# KiCad board coleco_original.kicad_pcb (continued)
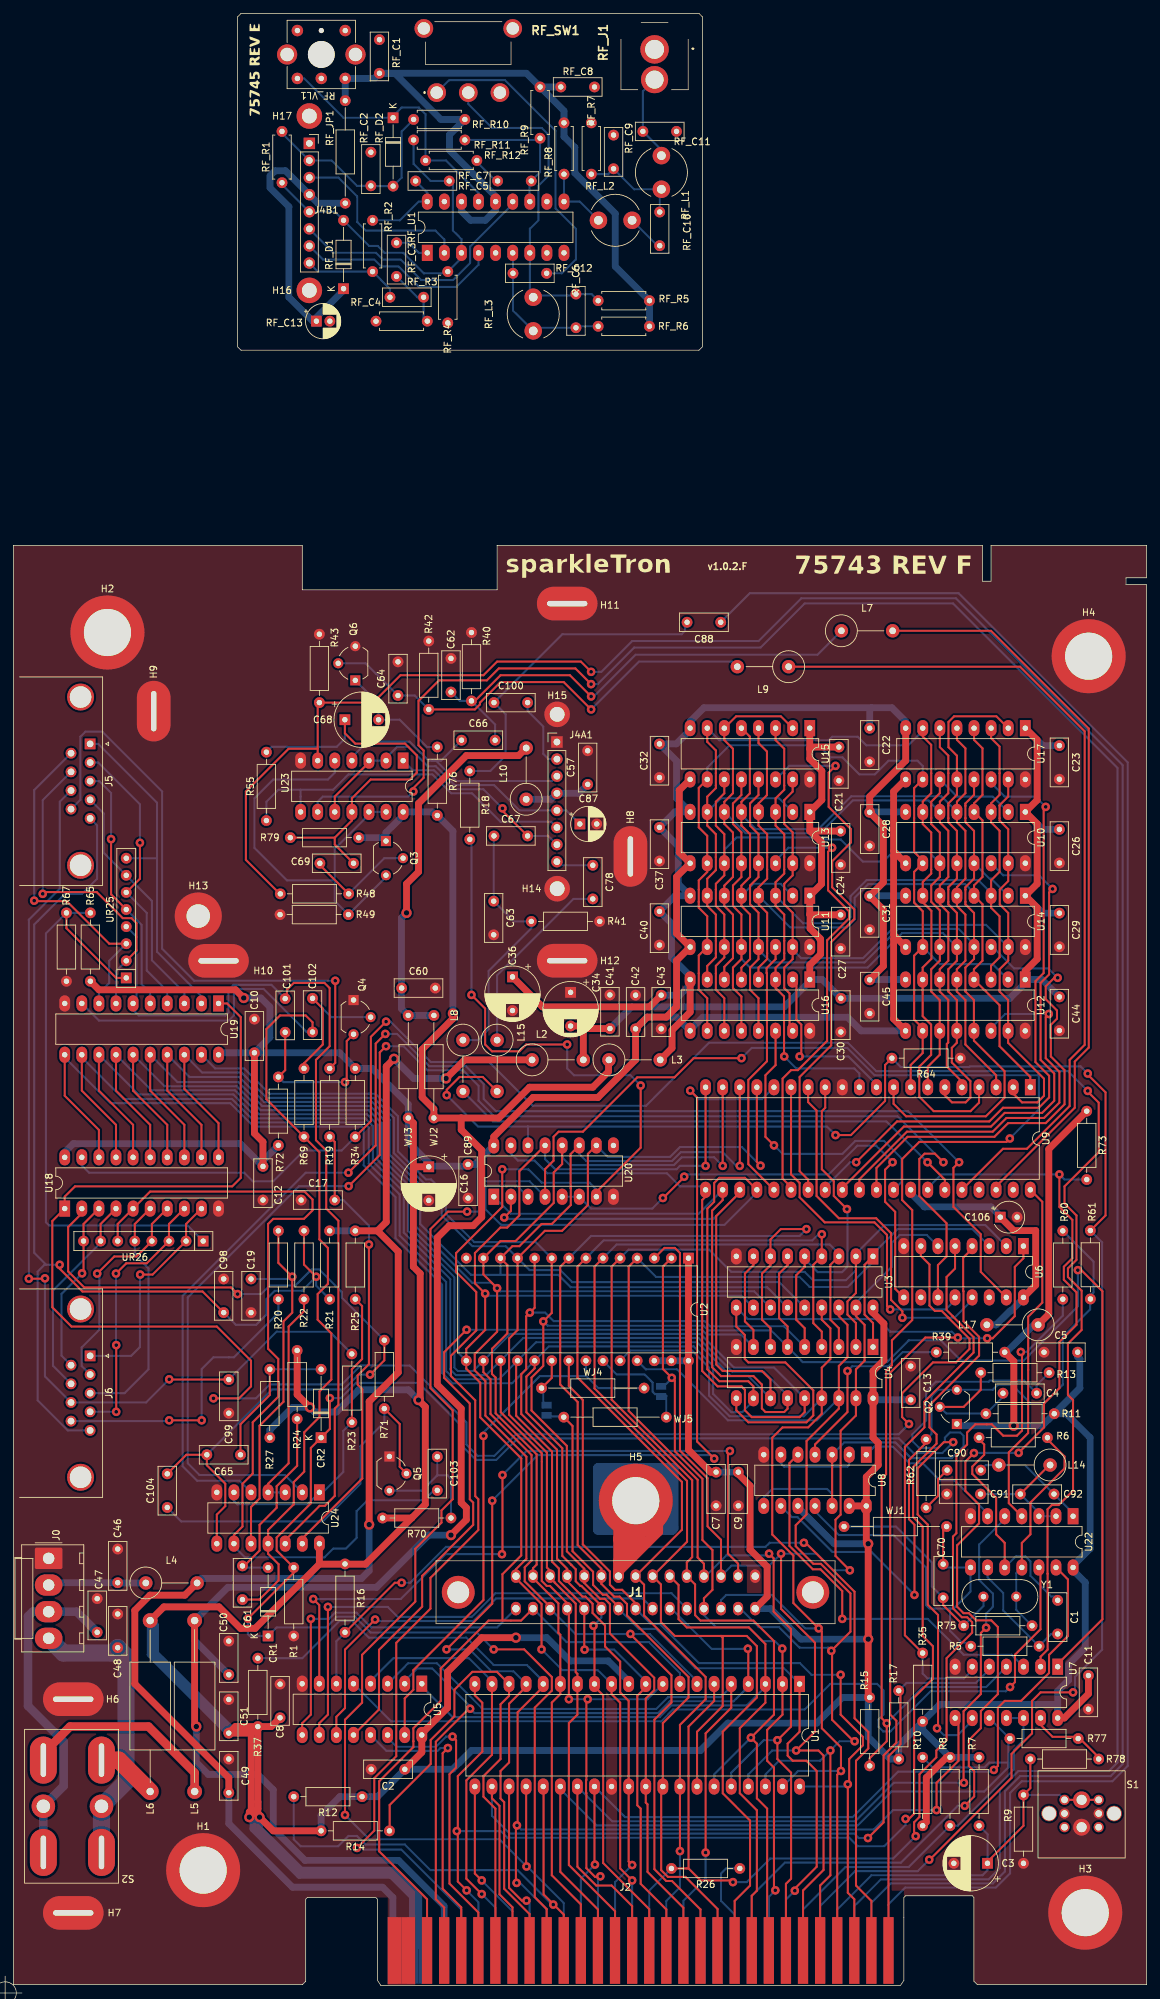
[diagram p0: board, top side]
## Routing (per net, layer and track width the routed paths; a pad name or vN(x,y) marks a point on that pad's centre or on a via; arc(x,y) is an arc through that point) (continued)
  Bottom w0.305: 127.51,5.21 127.51,12.32 130.36,15.17 145.57,15.17 147.35,16.95 147.35,28.86 149.61,31.12 163.07,31.12 164.85,32.89 164.85,181.34 140.07,206.12 117.09,206.12 110.74,199.77 91.95,199.77 87.38,195.2 v2(85.85,195.2)
/io_ports/SND_OUT: length 236.6
  Top w0.305: v2(68.07,147.19) 70.1,145.16 70.1,139.83 71.12,138.81 75.18,138.81 76.2,139.83 v2(82.3,139.83) ; 86.63,117.21 86.63,117.91 93.22,124.5 v2(93.22,133.73) ; v2(72.64,121.29) 72.65,121.28 72.65,115.7 65.79,108.84 65.79,106.05 68.78,103.05 68.78,97.34 65.02,93.58 65.02,90.55 68.63,86.94 68.63,72.72 69.09,72.26 69.09,67.69 61.98,60.58 61.98,56.01 56.89,50.92 56.89,34.08 53.63,30.82 53.63,23.02 v2(51.05,20.45)
  Bottom w0.305: v2(68.07,147.19) 68.07,170.05 R18.2 ; v2(93.22,133.73) 91.69,135.26 83.31,135.26 82.3,136.27 v2(82.3,139.83) ; 86.63,117.21 86.63,118.29 85.63,119.29 78.52,119.29 76.52,121.29 v2(72.64,121.29) ; v2(51.05,20.45) 51.82,20.45 52.07,20.19 57.66,20.19 66.55,11.3 66.55,5.21
/io_ports/~{VDP_RESET}: length 186.2
  Top w0.305: v2(149.4,79.15) 149.4,79.16 153.16,82.93 153.16,86.49 155.45,88.77 155.45,95.63 157.99,98.17 157.99,103 156.11,104.88 156.11,106.81 157.38,108.08 157.38,113.77 155.45,115.7 v2(155.45,120.52) ; v2(142.75,79.12) 141.48,77.85 141.48,73.49 143.51,71.46 143.51,68.67 140.24,65.41 140.24,56.3 141.2,55.33 142,55.33 143.07,54.26 145.32,54.26 146.3,53.28 146.3,43.31 143.78,40.78 143.78,38.24 141.99,36.45 141.99,32.62 142.78,31.83 142.78,28.1 v2(141.38,26.7)
  Bottom w0.305: 109.73,5.21 109.73,13.34 114.66,18.26 131.9,18.26 140.34,26.7 v2(141.38,26.7) ; U9.34 135.88,118.49 137.92,120.52 v2(155.45,120.52) 156.21,119.76 159.51,119.76 ; v2(149.4,79.15) 149.39,79.16 142.78,79.16 v2(142.75,79.12)
/psu/+5NF: length 9.2
  Top w2.54: S2.3 15.65,33.5 L6.1
/psu/+12NF: length 29.8
  Top w1.27: 4.45,34.51 8.41,38.48 20.07,38.48 26.92,31.62 L5.1
/rf_mod/B-Y: length 78.6
  Top w0.305: v2(135.85,122.33) 138.43,119.75 U9.35
  Bottom w0.305: v2(135.85,122.33) 135.81,122.33 129.74,128.4 71.26,128.4 L8.2
/rf_mod/R-Y: length 109.4
  Top w0.305: U9.38 146.05,118.74 157.73,130.43 157.73,137.29 159.82,139.37 159.82,186.77 145.29,201.3 L7.2
/rf_mod/sub_rf_mod/2: length 42.1
  Bottom w0.305: C100.2 76.41,189.4 78.74,187.07 78.74,183.01 79.52,182.23 J4A1.2 ; RF_R10.2 57.69,275.5 57.69,268.64 56.42,267.37 53.16,267.37 RF_C2.2 51.05,267.41 47.28,271.18 J4B1.2 39.91,275.24 RF_R1.2
/rf_mod/sub_rf_mod/3: length 68.4
  Bottom w0.305: C66.1 63.54,181.99 62.23,181.99 ; 62.23,181.99 61.72,181.99 58.89,184.82 52.61,184.82 50.3,182.5 U23.4 ; 62.23,181.99 62.81,181.99 65.82,178.98 80.06,178.98 J4A1.3 ; J4B1.3 48.29,268.64 51.09,265.85 51.09,262.04 52.36,260.77 62.71,260.77 64.04,259.44 RF_U1.2
/rf_mod/sub_rf_mod/5: length 102.3
  Top w0.305: U23.10 47.76,176.66 52.84,181.74 U23.3
  Bottom w0.305: RF_R11.1 59.47,270.67 62.01,268.13 RF_C5.2 65.3,267.6 65.3,260.78 66.58,259.5 RF_U1.3 66.58,256.7 RF_R4.2 64.3,254.42 60.99,254.42 57.95,257.46 55.15,257.46 54.14,258.48 52.87,258.48 RF_D1.2 47.79,263.56 J4B1.5 39.91,267.62 RF_R1.1 ; U23.3 U23.2 55.38,182.41 57.03,184.06 58.68,184.06 61.56,181.18 62.76,181.18 65.57,178.37 71.44,178.37 75.2,174.61 J4A1.5 82.17,174.61 C87.1
/rf_mod/sub_rf_mod/6: length 94
  Bottom w0.305: RF_U1.13 74.2,264.71 67.86,258.37 67.86,255.95 65.32,253.41 60.6,253.41 57.56,256.45 54.9,256.45 53.88,257.46 47.53,257.46 J4B1.6 ; 42.67,177.67 39.37,177.67 37.59,175.9 R55.1 ; 42.67,177.67 47.5,177.67 49.78,179.96 62.25,179.96 65.06,177.15 68.16,177.15 72.38,172.92 79.92,172.92 J4A1.6 ; 42.67,177.67 42.67,176.66 42.68,176.65 U23.8
/rf_mod/sub_rf_mod/7: length 59
  Top w0.305: C67.2 72.68,174.55 v2(72.68,174.91)
  Bottom w0.305: U23.1 59.35,180.57 62.51,180.57 65.32,177.76 69.83,177.76 v2(72.68,174.91) ; RF_U1.4 69.12,255.69 65.82,252.38 60.27,252.38 57.22,255.43 54.64,255.43 53.63,256.45 46.01,256.45 J4B1.7 ; C67.2 79.49,170.82 J4A1.7
/rf_mod/sub_rf_mod/8: length 20.4
  Bottom w0.305: J4B1.8 45.25,254.67 RF_R2.2 55.95,252.09 RF_C4.2 ; C78.1 81.31,166.46 J4A1.8
/rf_mod/Y: length 125.7
  Top w0.305: U9.36 147.06,124.33 150.62,124.33 156.97,130.68 156.97,137.54 159.21,139.78 159.21,186.36 149.61,195.96 L9.1
/video/AD0: length 25.6
  Top w0.305: v2(116.84,138.05) 117.09,138.3 117.09,142.78 116.37,143.51 116.37,148.92 U16.2
  Bottom w0.305: v2(116.84,138.05) 124.09,138.05 128.27,133.88 U9.10
/video/AD1: length 157.4
  Top w0.305: U16.13 110.73,146.7 109.47,147.96 109.47,151.25 110.73,152.51 U11.13 110.73,159.4 109.47,160.66 109.47,163.45 110.73,164.7 U13.13 110.73,171.08 109.47,172.34 109.47,175.64 110.73,176.9 U15.13 ; U17.13 142.76,176.93 141.48,175.64 141.48,175.3 141.48,175.3 141.48,173.46 141.48,173.46 141.48,172.85 142.76,171.56 U10.13 142.76,164.48 141.48,163.2 141.48,162.85 141.48,162.85 141.48,161.01 141.48,161.01 141.48,160.66 142.76,159.37 U14.13 142.76,152.54 141.48,151.26 141.48,147.7 142.75,146.43 U12.13 142.75,140.4 147.3,135.85 147.3,131.94 144.53,129.16 132.66,129.16 130.81,131.01 U9.9
  Bottom w0.305: U14.2 145.31,164.47 145.06,164.47 U10.13 ; U11.13 110.73,153.91 112.62,152.02 126.49,152.02 131.47,157 140.48,157 142.76,154.71 U14.13
/video/AD2: length 144.9
  Top w0.305: U15.10 101.85,177.95 101.85,172.09 103.11,170.83 U13.10 103.11,165.47 101.85,164.21 101.85,162.85 101.85,162.85 101.85,161.01 101.85,161.01 101.85,160.15 103.11,158.89 U11.10 101.85,153.06 101.85,150.4 101.85,150.4 101.85,147.96 103.11,146.7 U16.10 ; U17.10 133.86,177.93 133.86,175.3 133.86,175.3 133.86,173.46 133.86,173.46 133.86,168.45 135.14,167.16 U10.10 133.86,165.48 133.86,162.85 133.86,162.85 133.86,161.01 133.86,161.01 133.86,160.91 135.14,159.62 U14.10 133.86,153.03 133.86,143.53 135.13,142.26 U12.10 135.13,138.56 133.34,136.77 U9.8
  Bottom w0.305: U12.2 145.54,151.77 137.69,151.77 U14.10 ; U17.10 135.14,181.21 134.37,181.99 130.05,181.99 128.02,179.96 125.73,179.96 123.19,182.5 121.41,182.5 119.63,184.28 106.43,184.28 103.11,180.96 U15.10
/video/AD3: length 139.9
  Top w0.305: U15.11 105.65,177.15 104.39,175.89 104.39,172.34 105.65,171.08 U13.11 105.65,164.96 104.39,163.7 104.39,162.85 104.39,162.85 104.39,160.4 105.65,159.15 U11.11 105.65,152.77 104.39,151.51 104.39,150.4 104.39,150.4 104.39,147.96 105.65,146.7 U16.11 ; U9.7 135.88,136.52 137.67,138.3 U12.11 137.67,146.43 136.4,147.7 136.4,151 137.68,152.29 U14.11 137.68,159.75 136.4,161.03 136.4,163.45 137.68,164.73 U10.11 137.68,171.31 136.4,172.59 136.4,173.46 136.4,173.46 136.4,175.3 136.4,175.3 136.4,175.9 137.68,177.18 U17.11
  Bottom w0.305: U17.11 140.24,176.66 145.57,176.66 U10.2 ; U10.11 136.03,168.42 130.7,168.42 129.29,167.01 126.24,167.01 122.96,170.28 120.62,170.28 120.31,170.6 107.48,170.6 105.65,168.77 U13.11
/video/AD4: length 154.5
  Top w0.305: U9.6 138.43,132.28 139.48,131.23 141.51,131.23 142.22,131.94 142.22,134.4 139.46,137.16 139.46,139.33 140.21,140.08 U12.12 140.21,146.43 138.94,147.7 138.94,151 140.22,152.29 U14.12 140.22,159.37 138.94,160.66 138.94,161.01 138.94,161.01 138.94,162.85 138.94,162.85 138.94,163.2 140.22,164.48 U10.12 140.22,171.56 138.94,172.85 138.94,173.46 138.94,173.46 138.94,175.3 138.94,175.3 138.94,175.64 140.22,176.93 U17.12 140.22,182.74 138.97,184 138.97,187.75 139.81,188.6 146.08,188.6 U17.2 ; U16.12 108.19,146.95 106.93,148.21 106.93,148.56 106.93,148.56 106.93,150.4 106.93,150.4 106.93,151.26 108.19,152.51 U11.12 108.19,159.15 106.93,160.4 106.93,161.01 106.93,161.01 106.93,162.85 106.93,162.85 106.93,163.45 108.19,164.7 U13.12 108.19,171.34 106.93,172.6 106.93,175.64 108.19,176.9 U15.12
  Bottom w0.305: U11.12 108.19,152.54 109.47,151.26 126.94,151.26 132.08,156.39 138.14,156.39 U14.12
/video/AD5: length 146.3
  Top w0.305: U17.6 137.68,184.01 138.94,182.75 138.94,180.13 138.94,180.13 138.94,177.17 137.68,175.91 U10.6 137.68,172.83 138.94,171.57 138.94,164.72 137.68,163.46 U14.6 137.68,160.69 138.94,159.43 138.94,152.28 137.67,151 U12.6 137.67,147.7 138.93,146.44 138.93,140.12 138.72,139.91 138.72,136.56 140.97,134.31 U9.5 ; U16.6 105.65,151.37 106.93,152.65 106.93,153.39 106.93,153.39 106.93,155.23 106.93,155.23 106.93,159.13 105.65,160.42 U11.6 105.65,163.43 106.93,164.72 106.93,165.84 106.93,165.84 106.93,167.68 106.93,167.68 106.93,171.32 105.65,172.61 U13.6 105.65,175.88 106.93,177.17 106.93,178.29 106.93,178.29 106.93,180.13 106.93,180.13 106.93,183.77 105.65,185.05 U15.6 107.41,188.6 114.05,188.6 U15.2
  Bottom w0.305: U10.6 135.97,176.1 124.76,176.1 119.89,171.22 108.81,171.22 U13.6
/video/AD6: length 161.5
  Top w0.305: U17.7 135.14,185.6 136.4,184.35 136.4,180.13 136.4,180.13 136.4,177.17 135.14,175.91 U10.7 135.14,172.58 136.4,171.32 136.4,165.84 136.4,165.84 136.4,165.23 135.14,163.97 U14.7 135.14,160.96 136.43,159.68 136.43,152.55 135.13,151.26 U12.7 135.13,144.04 136.39,142.78 136.39,138.29 134.63,136.53 134.63,132.06 136.77,129.92 142.24,129.92 143.5,131.19 U9.4 ; U16.7 103.11,151.5 104.39,152.78 104.39,153.39 104.39,153.39 104.39,155.23 104.39,155.23 104.39,159.13 103.11,160.42 U11.7 103.11,164.45 104.39,165.74 104.39,165.84 104.39,165.84 104.39,167.68 104.39,167.68 104.39,171.07 103.11,172.35 U13.7 103.11,176.64 104.39,177.93 104.39,178.29 104.39,178.29 104.39,180.13 104.39,180.13 104.39,183.52 103.11,184.8 U15.7
  Bottom w0.305: U13.2 113.79,176.4 105.13,176.4 U13.7 ; U15.7 104.9,185.04 121.16,185.04 121.67,185.55 125.48,185.55 126.75,184.28 132.99,184.28 135.14,186.43 U17.7
/video/AD7: length 144.8
  Top w0.305: U17.5 140.22,185.09 141.48,183.83 141.48,177.17 140.22,175.91 U10.5 140.22,172.83 141.48,171.57 141.48,164.47 140.22,163.21 U14.5 140.22,160.39 141.48,159.13 141.48,152.28 140.21,151 U12.5 140.21,147.7 141.48,146.43 141.48,139.83 146.05,135.26 U9.3 ; U15.5 109.45,185.57 109.45,177.14 108.19,175.88 U13.5 108.19,172.35 109.47,171.07 109.47,167.68 109.47,167.68 109.47,165.84 109.47,165.84 109.47,164.72 108.19,163.43 U11.5 108.19,160.43 109.47,159.14 109.47,155.23 109.47,155.23 109.47,153.39 109.47,153.39 109.47,152.53 108.19,151.24 U16.5
  Bottom w0.305: U11.5 109.96,163.7 114.04,163.7 U11.2 ; U13.5 108.19,173.98 110.34,171.83 119.63,171.83 124.51,176.71 137.9,176.71 U10.5
Net-(C1-Pad1): length 34.9
  Top w0.305: U22.10 147.33,65.77 146.05,67.05 146.05,72.48 142.51,76.02 142.51,77.1 144.27,78.87 144.27,80.39 143.26,81.41
  Bottom w0.305: C1.1 154.61,57.82 154.21,57.82 151.15,60.88 151.15,63.01 150.39,63.78 148.98,63.78 U22.10
Net-(C1-Pad2): length 18.4
  Bottom w0.305: 144.78,62.12 144.78,60.64 147.1,58.33 147.1,55.72 152.4,50.42 154.22,52.24 C1.2
Net-(C17-Pad2): length 68.3
  Top w0.305: C17.2 47.75,125.35 R19.2 ; U24.13 42.93,66.42 51.84,75.34 51.84,88.62 51.16,89.31 51.16,90.65 52.83,92.33 v2(52.83,110.11)
  Bottom w0.305: C17.2 49.02,116.71 52.83,112.9 v2(52.83,110.11)
Net-(C19-Pad2): length 56.1
  Top w0.305: U24.10 35.31,71.1 36.58,72.37 36.58,83.19 40.13,86.74 40.13,98.68 41.44,99.98 v2(41.44,105.32) 39.37,107.38 R20.2
  Bottom w0.305: C19.2 41.11,104.99 v2(41.44,105.32)
Net-(C62-Pad1): length 72.8
  Top w0.305: v2(85.85,191.54) 82.7,194.69 72.39,194.69 68.58,190.88 R40.1
  Bottom w0.305: C62.1 66.33,190.88 R40.1 71.59,187.37 C66.2 ; L7.1 119.49,197.74 92.46,197.74 86.26,191.54 v2(85.85,191.54)
Net-(C63-Pad1): length 39.7
  Bottom w0.305: C67.1 71.37,170.78 C63.1 74.38,158.12 R41.1 76.96,157.1 70.61,150.75 70.61,142.11 68.98,140.48 L8.1
Net-(C68-Pad1): length 61.6
  Top w0.305: C69.2 47.75,169.54 47.75,170.56 ; 47.75,170.56 50.3,173.11 U23.11 50.3,176.41 53.09,179.2 58.93,179.2 59.94,180.21 59.94,182.79 58.2,184.53 50.8,184.53 49.26,186.07 C68.1 ; 47.75,170.56 R79.2
  Bottom w0.305: C68.1 49.26,185.27 48.04,184.06 38.39,184.06 R55.2
Net-(C78-Pad2): length 28.6
  Bottom w0.305: L15.1 71.88,150.11 83.22,161.46 C78.2
Net-(C90-Pad1): length 6.9
  Top w0.305: C90.1 137.41,75.23 137.41,72.77 135.64,70.99
Net-(C90-Pad2): length 17.4
  Bottom w0.305: C90.2 144.53,77.34 L14.2 150.33,77.34 C92.2 157.49,70.19 U22.1
Net-(C91-Pad2): length 19.1
  Top w0.305: L14.1 153.96,77.34 C92.1
  Bottom w0.305: C91.2 C92.1 152.41,70.27 U22.3 154.94,69.74
Net-(C98-Pad2): length 163.5
  Top w0.305: R22.1 43.18,107.13 v2(44.99,105.32) ; v2(6.87,107.1) 6.87,106.51 10.26,103.12 28.11,103.12 C98.2
  Bottom w0.305: J5.5 12.43,172.38 12.43,164.45 10.19,162.21 7.65,162.21 3.08,157.64 3.08,108.87 4.86,107.1 ; J6.5 8.07,82.48 3.59,86.96 3.59,106.08 4.61,107.1 v2(6.87,107.1) ; C98.2 33.06,98.17 36.07,98.17 37.59,99.7 37.59,101.98 38.85,103.24 42.91,103.24 v2(44.99,105.32) 44.99,103.98 R21.1
Net-(C99-Pad1): length 145.1
  Top w0.305: v2(23.15,90.08) 23.18,90.04 C99.1 ; v2(4.68,105.08) 4.63,105.03 v2(2.29,105.03)
  Bottom w0.305: R23.1 46.99,97.16 39.12,97.16 C99.1 ; J5.8 6.89,175.91 6.89,162.98 2.29,158.37 v2(2.29,105.03) ; v2(4.68,105.08) 4.68,90.51 J6.8 19.71,86.64 v2(23.15,90.08)
Net-(C100-Pad1): length 49.1
  Bottom w0.305: C88.2 99.82,202.27 99.82,201.3 99.31,200.79 81.57,200.79 C100.1 73.15,188.89 73.15,182.75 70.87,180.47 R18.1
Net-(CR1-A): length 29
  Top w0.305: 42.16,84.2 42.16,77.23 39.12,74.19 39.12,70.99 36.58,68.45 36.58,64.64 34.04,62.1
  Bottom w0.305: 34.33,62.1 CR1.2
Net-(CR2-A): length 22.1
  Top w0.305: C65.1 33.74,83.4 38.1,87.76 R27.2
  Bottom w0.305: CR2.2 R27.2
Net-(J2-Pin_40): length 15.4
  Bottom w0.305: R26.1 105.92,17.4 105.16,16.64 105.16,12.57 107.19,10.54 107.19,5.21
Net-(J5-Pad9): length 91.9
  Top w0.305: v2(47.82,149.3) 47.82,137.11 R19.1
  Bottom w0.305: v2(47.82,149.3) 26.85,149.3 22.1,154.05 22.1,177.42 13.21,186.31 10.7,186.31 9.94,185.55 9.94,176.18 J5.9
Net-(J6-Pad9): length 44
  Top w0.305: v2(23.15,83.98) v2(27.97,83.98)
  Bottom w0.305: v2(23.15,83.98) 23.03,83.87 J6.9 ; R20.1 39.37,99.95 32.77,93.35 29.72,93.35 27.97,91.6 v2(27.97,83.98)
Net-(JP1-A): length 7.7
  Top w0.305: U2.20 80,90.29 WJ4.1
  Bottom w0.305: WJ4.1 78.74,88.52 78.74,85.87
Net-(JP2-B): length 15.5
  Bottom w0.305: WJ5.2 97.03,87.62 96.77,87.87 95.36,87.87 95,88.24 95,89.59 93.78,90.81 89.66,90.81 U2.23
Net-(Q2-B): length 21.1
  Top w0.305: 137.68,85.98 141.22,85.98 143.76,88.52 R13.1
  Bottom w0.305: 137.68,85.98 138.66,85 144.49,85 R11.1 147.07,87.5 C4.1
Net-(Q2-C): length 105.8
  Top w0.305: R62.1 135.64,80.65 133.1,78.11 133.1,69.28 133.91,68.47 v2(133.91,58.04)
  Bottom w0.305: v2(133.91,58.04) 127.53,64.42 121.7,64.42 116.52,69.6 115.71,69.6 U8.9 ; R60.2 160.53,107.57 160.53,103 160.02,102.49 160.02,100.46 155.96,96.39 155.96,89.28 153.16,86.49 151.2,86.49 148.42,89.27 146.29,89.27 145.54,88.52 Q2.3 137.41,88.52 136.44,87.54 136.44,81.95 R62.1
Net-(Q3-B): length 16.6
  Top w0.305: R48.2 45.54,166.49 C69.1
  Bottom w0.305: 49.78,162.18 55.12,167.51 Q3.2
Net-(Q3-C): length 65.5
  Bottom w0.305: 47.75,164.21 47.75,161.16 R49.1 55.36,164.71 Q3.3 ; 47.75,164.21 40.64,164.21 35.81,169.04 35.81,176.4 38.61,179.2 46.74,179.2 47.76,180.22 U23.5 ; 47.75,164.21 47.75,168.9 52.84,173.99 U23.12 U23.13
Net-(Q4-B): length 22
  Top w0.305: R69.2 43.18,137.03 45.97,139.83 45.97,145.16 C102.1
  Bottom w0.305: Q4.2 47.24,143.89 C102.1
Net-(Q4-C): length 24.9
  Top w0.305: R72.1 40.39,136.02 C101.1 ; Q4.3 49.53,140.34 49.53,134.49 v2(49.28,134.24)
  Bottom w0.305: R72.1 40.13,134.24 v2(49.28,134.24)
Net-(Q5-B): length 55.5
  Top w0.305: Q5.2 57.4,77.08 57.4,83.44 55.12,85.73
  Bottom w0.305: C104.1 24.93,68.96 45.97,68.96 51.56,74.55 51.56,80.14 55.12,83.69 55.12,85.73
Net-(Q5-C): length 18.9
  Bottom w0.305: 62.99,75.82 64.52,75.82 65.02,75.31 R70.1 ; 62.99,75.82 60.71,73.53 Q5.3 ; 62.99,75.82 C103.1
Net-(Q6-B): length 68.9
  Top w0.305: v2(85.85,189.61) 81.79,193.68 72.39,193.68 69.33,190.61 69.33,190.36 68.58,189.61 R42.1
  Bottom w0.305: R42.1 59.65,191.68 C64.1 53.89,194.95 53.85,194.95 52.32,196.47 Q6.2 ; v2(85.85,189.61) 92.96,196.72 106.82,196.72 L9.2
Net-(Q6-E): length 17.7
  Bottom w0.305: R76.1 61.47,184.02 57.4,188.09 C68.2 54.26,190.48 Q6.1
Net-(R6-Pad2): length 33
  Top w0.305: U22.11 149.87,65.77 151.15,67.05 151.15,71.77 156.21,76.84 156.21,78.61 153.42,81.41
  Bottom w0.305: R75.1 149.04,55.81 149.04,61.3 U22.11
Net-(R22-Pad2): length 33.5
  Top w0.305: U24.4 37.85,74.55 40.89,77.6 40.89,97.92 43.18,100.2 43.18,101.98
  Bottom w0.305: U24.4 U24.3
Net-(R23-Pad2): length 47
  Top w0.305: R25.1 51.82,100.97 51.82,93.09 50.29,91.57 R23.2
  Bottom w0.305: U24.6 32.77,72.01 33.27,71.5 43.69,71.5 U24.1 45.97,73.28 49.02,76.33 49.02,82.42 R23.2
Net-(R77-Pad1): length 11.7
  Top w0.305: U7.13 152.65,38.74 154.43,36.96 158.24,36.96 161.29,33.91
Net-(RF_C3-Pad2): length 9.1
  Bottom w0.305: RF_R3.2 60.95,247.85 RF_C4.1 60.02,250.86 RF_C3.2
Net-(RF_C7-Pad1): length 4.2
  Bottom w0.305: 71.7,268.13 68.87,270.97 RF_R12.1
Net-(RF_C10-Pad1): length 5.7
  Bottom w0.305: RF_C10.1 95.71,258.52 RF_L2.2
Net-(RF_C10-Pad2): length 15.5
  Bottom w0.305: RF_R7.1 88.39,269.15 RF_C9.1 92.24,266.9 RF_L1.1 96.05,266.65 RF_C10.2
Net-(RF_C11-Pad1): length 13.1
  Bottom w0.305: RF_L1.2 96.3,272.74 RF_C11.1 93.55,281.45 RF_J1.T
Net-(RF_D2-K): length 40.7
  Bottom w0.305: RF_VL1.1 43.21,283.37 49.06,277.53 RF_D2.1 56.42,277.78 57.69,279.05 60.23,279.05 61.25,278.04 RF_R12.2 64.3,271.18 69.12,266.35 RF_U1.15
Net-(RF_SW1-B): length 51.3
  Bottom w0.305: RF_R5.2 85.93,251.33 RF_C6.1 83.39,251.11 77.5,251.11 RF_L3.1 76.74,251.37 RF_U1.7 76.74,261.02 78.01,262.29 78.01,267.41 79.54,268.93 79.54,274.99 78.52,276.01 71.15,276.01 67.6,279.56 RF_SW1.2
Net-(RF_SW1-C): length 47.1
  Bottom w0.305: RF_C12.1 81.53,254.42 83.6,256.49 83.6,261.02 80.56,264.05 80.56,275.61 73.06,283.11 64.74,283.11 RF_SW1.3
Net-(RF_U1-CHB_OUTPUT): length 10.1
  Bottom w0.305: RF_L2.1 84.16,265.07 RF_U1.10 81.82,268.89
Net-(RF_U1-CHB_TANK1): length 22.8
  Bottom w0.305: RF_R6.1 83.81,246.54 RF_C6.2 77.72,246.33 RF_L3.2 74.24,248.87 RF_C12.2 74.24,257.41 RF_U1.6
Net-(RF_U1-CHROMA_LAG): length 13.1
  Bottom w0.305: RF_R2.1 57.44,262.29 60.22,265.07 RF_U1.18 61.5,266.39 RF_C5.1
Net-(RF_U1-CHROMA_LEAD): length 5.2
  Bottom w0.305: RF_U1.1 60.25,257.45 58.75,258.95 RF_C3.1
Net-(RF_U1-VIDEO_IN): length 21.4
  Bottom w0.305: RF_R11.2 78.01,274.23 RF_R9.2 78.27,269.44 76.7,267.88 76.7,265.11 RF_U1.12
Net-(U8A-C): length 84.6
  Top w0.305: U8.12 U8.3
  Bottom w0.305: U8.8 111.51,72.52 112.78,73.79 120.9,73.79 121.67,73.02 U8.12 ; U8.3 123.49,80.7 131.08,80.7 133.42,78.36 139.45,78.36 141.22,80.14 141.22,81.66 140.72,82.17 139.19,82.17 138.43,81.41 138.43,80.9 137.43,79.9 134.61,79.9 133.6,80.9 133.6,81.92 135.64,83.95 135.64,88.27 137.1,89.73 144.97,89.73 145.12,89.88 150.2,89.88 C4.2 152.07,89.2 R13.2
Net-(U8A-D): length 13.3
  Bottom w0.305: U8.2 124.21,77.35 123.95,77.09 114.55,77.09 114.05,77.59 U8.6
Net-(U8A-Q): length 58.7
  Top w0.305: U8.5 115.33,77.62 115.33,65.32 118.81,61.85 119.94,61.85 123.17,58.62 v2(123.17,54.48)
  Bottom w0.305: v2(123.17,54.48) 135.89,54.48 141.22,49.15 148.34,49.15 U7.3
Net-(U8A-~{R}): length 23
  Bottom w0.305: 144.78,69.74 144.78,70.14 139.87,75.06 137.67,75.06 135.13,77.6 133.16,77.6 130.69,80.07 127.94,80.07 U8.1
Net-(U8A-~{S}): length 28.8
  Top w0.305: U8.4 119.13,80.4 123.95,85.22 v2(123.95,91.31)
  Bottom w0.305: v2(123.95,91.31) 124.66,92.02 130.07,92.02 132.15,94.11 R39.1
Net-(U8B-C): length 55.2
  Top w0.305: WJ1.2 138.18,67.69 C70.1
  Bottom w0.305: 142.24,50.42 141.73,50.93 140.97,50.93 139.19,52.71 139.19,56.01 ; 139.19,56.01 139.7,56.01 142.25,58.55 U22.8 138.67,62.12 C70.1 ; 139.19,56.01 136.14,56.01 135.64,56.52 135.64,62.1 130.8,66.94 122.67,66.94 119.13,70.48 U8.11
Net-(U10-Dout): length 80.9
  Top w0.305: U9.29 123.19,118.49 132.33,127.64 145.29,127.64 147.32,129.67 152.88,129.67 154.69,131.47 154.69,135.51 152.65,137.54 152.65,148.97 153.92,150.24 153.92,162.43 v2(154.43,162.94)
  Bottom w0.305: v2(154.43,162.94) 152.4,164.97 147.09,164.97 U10.14
Net-(U10-~{CAS}): length 135.7
  Top w0.305: U15.15 115.81,177.4 114.55,176.15 114.55,175.3 114.55,175.3 114.55,172.6 115.81,171.34 U13.15 115.81,164.96 114.55,163.7 114.55,162.85 114.55,162.85 114.55,160.66 115.81,159.4 U11.15 115.81,152.51 114.55,151.25 114.55,148.21 115.35,147.41 115.35,142.32 U16.15 ; U17.15 147.84,176.67 146.56,175.39 146.56,175.3 146.56,175.3 146.56,173.46 146.56,173.46 146.56,173.1 147.84,171.82 U10.15 147.84,164.11 146.59,162.85 146.59,160.63 147.84,159.37 U14.15 147.84,152.29 146.57,151.02 146.57,147.69 147.83,146.43 U12.15 147.83,140.08 153.16,134.75 153.16,132.21 152.18,131.23 149.89,131.23 148.59,132.53 U9.2
  Bottom w0.305: U11.15 115.81,153.91 117.07,152.65 126.26,152.65 131.22,157.61 144.55,157.61 U14.15
Net-(U10-~{RAS}): length 138.7
  Top w0.305: 110.74,160.66 112.01,159.39 112.01,155.23 112.01,155.23 112.01,153.39 112.01,153.39 112.01,152.53 110.73,151.24 U16.4 ; U11.4 110.73,163.18 112.01,164.47 112.01,165.84 112.01,165.84 112.01,167.68 112.01,167.68 112.01,171.07 110.73,172.35 U13.4 110.73,175.63 111.99,176.88 111.99,183.36 110.73,184.61 U15.4 ; U17.4 142.76,185.09 144.02,183.83 144.02,176.91 142.76,175.66 U10.4 144.02,173.12 144.02,164.72 142.76,163.46 U14.4 144.02,160.67 144.02,152.28 142.75,151 U12.4 146.56,145.67 146.56,139.57 151.12,135.01 U9.1
  Bottom w0.305: U14.4 142.76,162.33 141.44,163.65 127.05,163.65 125.02,161.62 125.02,158.39 123.85,157.22 115.43,157.22 U11.4
Net-(U10-~{WRITE}): length 146.7
  Top w0.305: U15.3 113.27,185.05 114.55,183.77 114.55,180.13 114.55,180.13 114.55,178.29 114.55,178.29 114.55,177.67 113.27,176.39 U13.3 113.27,172.35 114.55,171.07 114.55,167.68 114.55,167.68 114.55,165.84 114.55,165.84 114.55,165.23 113.27,163.94 U11.3 113.27,160.42 114.55,159.13 114.55,155.23 114.55,155.23 114.55,153.39 114.55,153.39 114.55,152.5 113.27,151.21 U16.3 113.27,148.22 114.53,146.97 114.53,138.08 v2(114.55,138.05) ; U12.3 145.29,151.51 146.56,152.78 146.56,158.87 145.3,160.13 U14.3 145.3,164.23 146.56,165.48 146.56,171.57 145.3,172.83 U10.3 145.3,175.66 146.56,176.91 146.56,180.13 146.56,180.13 146.56,184.09 145.3,185.35 U17.3
  Bottom w0.305: v2(114.55,138.05) 116.33,136.27 124.97,136.27 125.72,135.51 U9.11 ; U14.3 145.3,162.33 143.37,164.26 126.8,164.26 124.41,161.87 124.41,158.79 123.46,157.83 117.37,157.83 U11.3
Net-(U11-Dout): length 39.4
  Top w0.305: U9.25 109.22,122.04 109.22,134.57 111.99,137.33 111.99,150.4 111.94,150.45 111.94,151.18 113.27,152.51 U11.14
Net-(U12-Dout): length 60.1
  Top w0.305: U9.30 125.72,119.81 132.79,126.87 145.54,126.87 147.57,128.91 153.16,128.91 155.45,131.19 155.45,135.76 153.42,137.8 153.42,143.91 v2(153.87,144.36)
  Bottom w0.305: v2(153.87,144.36) 147.39,144.36 145.29,142.26 U12.14
Net-(U13-Dout): length 67.2
  Top w0.305: v2(121.67,169.06) 121.07,168.46 121.07,162.74 124.19,159.61 124.19,158.57 120.93,155.3 120.93,140.36 116.59,136.02 115.57,136.02 114.31,134.75 114.31,119.89 115.56,118.64 U9.26
  Bottom w0.305: U13.14 113.27,167.16 115.17,169.06 v2(121.67,169.06)
Net-(U14-Dout): length 68.6
  Top w0.305: v2(155.19,149.73) 154.69,149.73 153.42,148.46 153.42,146.56 155.09,144.88 155.09,143.66 154.18,142.75 154.18,138.05 156.21,136.02 156.21,130.94 153.42,128.14 147.83,128.14 145.8,126.11 132.89,126.11 128.27,121.49 U9.31
  Bottom w0.305: v2(155.19,149.73) 153.79,151.14 148.71,151.14 145.54,154.31 U14.14
Net-(U15-Dout): length 80.9
  Top w0.305: v2(122.17,181.23) 121.16,180.21 121.16,175.13 124.46,171.83 124.46,169.84 121.68,167.06 121.68,163.18 124.97,159.89 124.97,158.48 121.54,155.05 121.54,139.7 116.84,135 116.84,121.01 118.1,119.74 U9.27
  Bottom w0.305: U15.14 115.29,181.23 v2(122.17,181.23)
Net-(U16-Dout): length 44.7
  Top w0.305: U16.14 113.27,136.76 111.76,135.26 111.76,126.11 v2(113.03,124.84)
  Bottom w0.305: U9.32 131.98,119.41 131.98,122.91 129.39,125.5 125.12,125.5 123.19,123.57 114.3,123.57 v2(113.03,124.84)
Net-(U17-Dout): length 94
  Top w0.305: v2(153.42,175.13) 153.11,174.83 153.11,150.44 151.89,149.23 151.89,137.2 153.92,135.17 153.92,131.95 152.4,130.43 147.07,130.43 145.03,128.4 131.32,128.4 v2(125.26,122.34)
  Bottom w0.305: v2(153.42,175.13) 151.89,176.66 147.32,176.66 145.3,178.67 U17.14 ; U9.28 120.65,118.64 124.34,122.34 v2(125.26,122.34)
Net-(U18-A0): length 122
  Top w0.305: R71.1 55.12,92.89 v2(53,90.77) ; U24.8 30.23,69.98 31.48,71.23 31.48,74.56 28.74,77.3 C65.2 25.69,78.87 C104.2 ; U18.2 10.16,114.74 8.13,112.71 8.13,106.11 10.51,103.73 32.32,103.73 v2(33.31,102.74)
  Bottom w0.305: R71.1 48.8,102.2 48.8,103.05 45.44,106.41 44.31,106.41 41.91,104.01 38.07,104.01 36.8,102.74 v2(33.31,102.74) ; v2(53,90.77) 51.28,90.77 49.07,88.57 38.44,88.57 C65.2
Net-(U18-A1): length 26.2
  Top w0.305: U18.3 10.41,113.16 UR26.8 10.41,106.05 v2(10.19,105.83)
  Bottom w0.305: J6.6 7.15,93.58 7.15,102.78 v2(10.19,105.83)
Net-(U18-A2): length 31
  Top w0.305: UR26.7 12.95,113.16 U18.4
  Bottom w0.305: UR26.7 12.95,110.36 5.88,103.29 5.88,92.08 J6.7
Net-(U18-A3): length 131.1
  Top w0.305: U24.9 32.77,66.93 34.04,68.2 34.04,74.55 35.56,76.07 35.56,83.69 39.36,87.49 39.36,93.1 37.85,94.62 37.85,113.16 38.61,113.92 43.18,113.92 44.45,115.19 44.45,116.79 43.27,117.97 20.31,117.97 U18.5 15.49,113.16 UR26.6
  Bottom w0.305: U24.9 32.77,65.26 34.4,63.63 46.23,63.63 47.53,64.93 49.4,64.93 51,66.53 51,70.51 52.61,72.11 61.02,72.11 62.48,73.57
